# KiCad board jetson-orin-baseboard.kicad_pcb (continued)
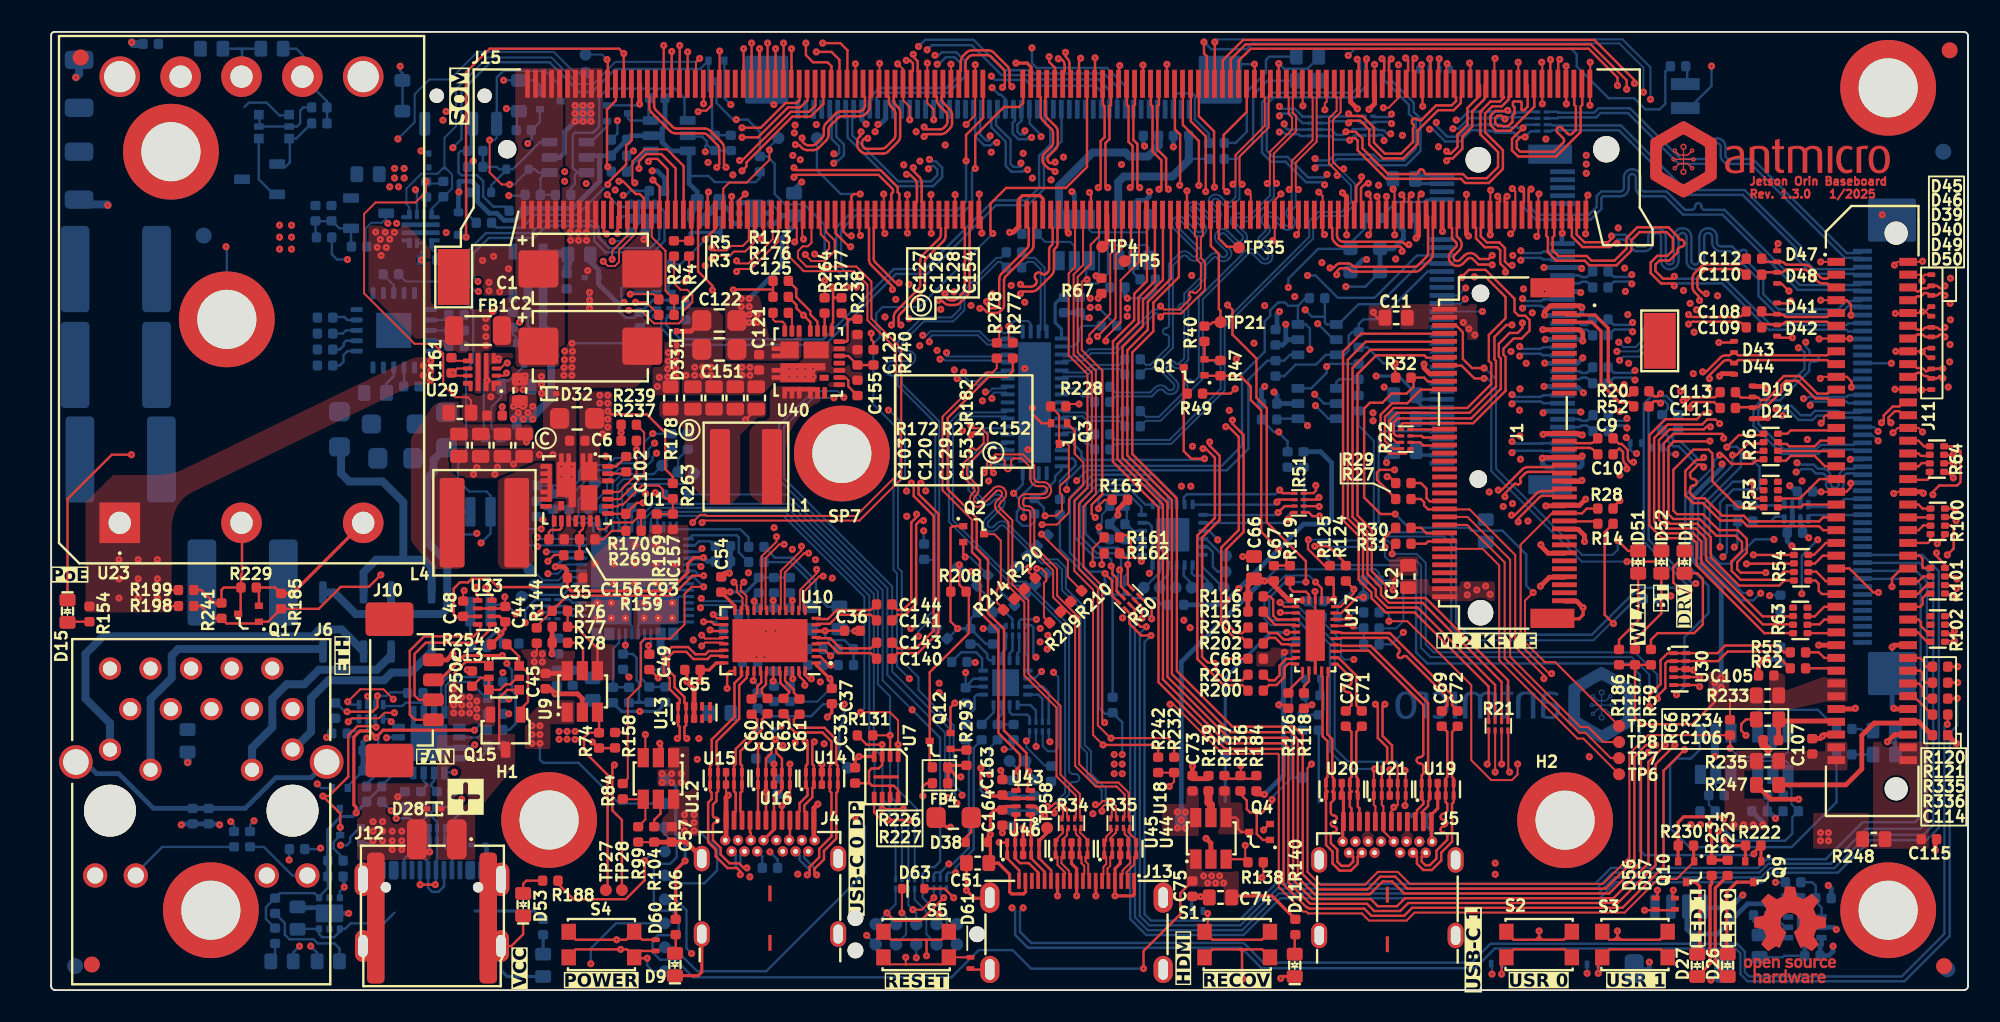
[diagram p0: board, top side]
## Library data of the parts (continued)
C30 C49 C116 = -: Datasheet: https://www.yageo.com/en/Chart/Download/pdf/CC0402MRX5R5BB106; Author: Antmicro; License: Apache-2.0; Val: 10u; OldValue: C_10u_0402; Manufacturer 1: YAGEO; Field13: License: Apache-2.0; Field14: Author: Antmicro
C32 C134 = -: Datasheet: https://product.tdk.com/en/search/capacitor/ceramic/mlcc/info?part_no=C1608X5R1E106M080AC; Author: Antmicro; License: Apache-2.0; Val: 10u; Voltage: 25V; OldValue: C_10u_25V_0603; Manufacturer 1: TDK; Field13: License: Apache-2.0; Field14: Author: Antmicro
C34 C59 = -: Datasheet: https://www.yageo.com/en/Chart/Download/pdf/CC0402MRX5R5BB106; Author: Antmicro; License: Apache-2.0; Val: 10u; OldValue: C_10u_0402; Manufacturer 1: YAGEO; Field13: Author: Antmicro; Field15: License: Apache-2.0
C35 C117 C137 = -: Datasheet: https://www.yageo.com/en/Chart/Download/pdf/CC0402MRX5R5BB106; Author: Antmicro; License: Apache-2.0; Val: 10u; OldValue: C_10u_0402; Manufacturer 1: YAGEO; Field13: License: Apache-2.0; Field15: Author: Antmicro
C47 C94 = -: Datasheet: https://product.tdk.com/en/search/capacitor/ceramic/mlcc/info?part_no=C1005X6S1A105K050BC; Author: Antmicro; License: Apache-2.0; Val: 1u; OldValue: C_1u_0402; Manufacturer 1: TDK; Field14: Author: Antmicro; Field15: License: Apache-2.0
C74 = -: Datasheet: https://www.murata.com/products/productdetail?partno=GRM188R61A106KE69%23; Author: Antmicro; Dielectric: template_dielectric; License: Apache-2.0; Val: 10u; OldValue: C_10u_0603; Manufacturer 1: Murata; Field14: License: Apache-2.0; Field15: Author: Antmicro
C76 = -: Datasheet: https://product.samsungsem.com/mlcc/CL21B104KCFNNN.do; Author: Antmicro; Dielectric: X7R; License: Apache-2.0; Public: False; Val: 100n; Voltage: 100V; OldValue: C_100n_100V_0805; Manufacturer 1: Samsung Electro-Mechanics; Field14: License: Apache-2.0; Field15: Author: Antmicro
C77 = -: Datasheet: https://spicat.kyocera-avx.com/product/mlcc/chartview/06031C103JAT2A/; Author: Antmicro; License: Apache-2.0; Val: 10n; OldValue: C_10n_0603; Manufacturer 1: AVX; Field13: License: Apache-2.0; Field15: Author: Antmicro
C79 C80 C82 = -: Datasheet: https://product.tdk.com/en/search/capacitor/ceramic/mlcc/info?part_no=C5750X7S2A226M280KB; Author: Antmicro; Dielectric: X7S; License: Apache-2.0; Public: False; Val: 22u; Voltage: 100V; OldValue: C_22u_100V_2220; Manufacturer 1: TDK; Field14: Author: Antmicro; Field15: License: Apache-2.0
C81 = -: Datasheet: https://product.tdk.com/en/search/capacitor/ceramic/mlcc/info?part_no=C5750X7S2A226M280KB; Author: Antmicro; Dielectric: X7S; License: Apache-2.0; Public: False; Val: 22u; Voltage: 100V; OldValue: C_22u_100V_2220; Manufacturer 1: TDK; Field15: Author: Antmicro; Field16: License: Apache-2.0
C84 = -: Datasheet: https://product.tdk.com/en/search/capacitor/ceramic/mlcc/info?part_no=C3216X5R1C476M160AB; Author: Antmicro; Dielectric: X5R; License: Apache-2.0; Public: False; Val: 47u; Voltage: 16V; OldValue: C_47u_16V_1206; Manufacturer 1: TDK; Field14: Author: Antmicro; Field15: License: Apache-2.0
C85 = -: Datasheet: https://product.tdk.com/en/search/capacitor/ceramic/mlcc/info?part_no=C3216X5R1C476M160AB; Author: Antmicro; Dielectric: X5R; License: Apache-2.0; Public: False; Val: 47u; Voltage: 16V; OldValue: C_47u_16V_1206; Manufacturer 1: TDK; Field14: License: Apache-2.0; Field15: Author: Antmicro
C93 C98 C106 = -: Datasheet: https://product.tdk.com/en/search/capacitor/ceramic/mlcc/info?part_no=C1005X6S1A105K050BC; Author: Antmicro; License: Apache-2.0; Val: 1u; OldValue: C_1u_0402; Manufacturer 1: TDK; Field13: License: Apache-2.0; Field14: Author: Antmicro
C95 C105 C107 C115 C123 = -: Datasheet: https://product.tdk.com/en/search/capacitor/ceramic/mlcc/info?part_no=C1005X6S1A105K050BC; Author: Antmicro; License: Apache-2.0; Val: 1u; OldValue: C_1u_0402; Manufacturer 1: TDK; Field13: License: Apache-2.0; Field15: Author: Antmicro
C99 = -: Datasheet: https://product.tdk.com/en/search/capacitor/ceramic/mlcc/info?part_no=C1005X6S1A105K050BC; Author: Antmicro; License: Apache-2.0; Val: 1u; OldValue: C_1u_0402; Manufacturer 1: TDK; Field13: Author: Antmicro; Field14: License: Apache-2.0
C103 C128 = -: Datasheet: https://product.samsungsem.com/mlcc/CL10A226MO7JZN.do; Description: SMD Multilayer Ceramic Capacitor; Val: 22u; License: Apache-2.0; Author: Antmicro; Voltage: 16V; OldValue: C_22u_16V_0603; Manufacturer 1: Samsung Electro-Mechanics; Field13: License: Apache-2.0; Field14: Author: Antmicro
C114 C142 = -: Datasheet: https://product.tdk.com/en/search/capacitor/ceramic/mlcc/info?part_no=C1005X6S1A105K050BC; Author: Antmicro; License: Apache-2.0; Val: 1u; OldValue: C_1u_0402; Manufacturer 1: TDK; Field13: Author: Antmicro; Field15: License: Apache-2.0
C120 = -: Datasheet: https://product.samsungsem.com/mlcc/CL10A226MO7JZN.do; Description: SMD Multilayer Ceramic Capacitor; Val: 22u; License: Apache-2.0; Author: Antmicro; Voltage: 16V; OldValue: C_22u_16V_0603; Manufacturer 1: Samsung Electro-Mechanics; Field14: Author: Antmicro; Field15: License: Apache-2.0
C122 = -: Datasheet: https://product.samsungsem.com/mlcc/CL21A226MAYNNN.do; Author: Antmicro; Dielectric: X5R; License: Apache-2.0; Public: False; Val: 22u; Voltage: 25V; OldValue: C_22u_25V_0805; Manufacturer 1: Samsung Electro-Mechanics; Field14: License: Apache-2.0; Field16: Author: Antmicro
C126 C127 C153 = -: Datasheet: https://product.samsungsem.com/mlcc/CL10A226MO7JZN.do; Description: SMD Multilayer Ceramic Capacitor; Val: 22u; License: Apache-2.0; Author: Antmicro; Voltage: 16V; OldValue: C_22u_16V_0603; Manufacturer 1: Samsung Electro-Mechanics; Field13: License: Apache-2.0; Field15: Author: Antmicro
C129 = -: Datasheet: https://product.samsungsem.com/mlcc/CL10A226MO7JZN.do; Description: SMD Multilayer Ceramic Capacitor; Val: 22u; License: Apache-2.0; Author: Antmicro; Voltage: 16V; OldValue: C_22u_16V_0603; Manufacturer 1: Samsung Electro-Mechanics; Field14: License: Apache-2.0; Field15: Author: Antmicro
C136 = -: Datasheet: https://www.murata.com/products/productdetail?partno=GRM155C61E475ME15%23; Author: Antmicro; Dielectric: X5S; License: Apache-2.0; Val: 4u7; Voltage: 25V; OldValue: C_4u7_25V_0402; Manufacturer 1: Murata; Field14: Author: Antmicro; Field15: License: Apache-2.0
C145 = -: Datasheet: https://www.kemet.com/en/us/capacitors/product/C0402C470J5GACTU.html; Author: Antmicro; Dielectric: C0G; License: Apache-2.0; Val: 47p; OldValue: C_47p_0402; Manufacturer 1: KEMET; Field13: License: Apache-2.0; Field15: Author: Antmicro
C146 = -: Datasheet: https://www.kemet.com/en/us/capacitors/product/C0402C470J5GACTU.html; Author: Antmicro; Dielectric: C0G; License: Apache-2.0; Val: 47p; OldValue: C_47p_0402; Manufacturer 1: KEMET; Field14: License: Apache-2.0; Field15: Author: Antmicro
C147 = -: Datasheet: https://www.murata.com/products/productdetail?partno=GRM155R61E105KE11%23; Author: Antmicro; Dielectric: X5R; License: Apache-2.0; Val: 1u; Voltage: 25V; OldValue: C_1u_25V_0402; Manufacturer 1: Murata; Field13: Author: Antmicro; Field14: License: Apache-2.0
C148 = -: Datasheet: https://www.murata.com/products/productdetail?partno=GRM155C61E475ME15%23; Author: Antmicro; Dielectric: X5S; License: Apache-2.0; Val: 4u7; Voltage: 25V; OldValue: C_4u7_25V_0402; Manufacturer 1: Murata; Field13: License: Apache-2.0; Field15: Author: Antmicro
C149 = -: Datasheet: https://www.murata.com/products/productdetail?partno=GRM155R61E105KE11%23; Author: Antmicro; Dielectric: X5R; License: Apache-2.0; Val: 1u; Voltage: 25V; OldValue: C_1u_25V_0402; Manufacturer 1: Murata; Field13: License: Apache-2.0; Field14: Author: Antmicro
C150 = -: Datasheet: https://www.murata.com/products/productdetail?partno=GRM155R61E105KE11%23; Author: Antmicro; Dielectric: X5R; License: Apache-2.0; Val: 1u; Voltage: 25V; OldValue: C_1u_25V_0402; Manufacturer 1: Murata; Field14: License: Apache-2.0; Field15: Author: Antmicro
C151 = -: Datasheet: https://product.samsungsem.com/mlcc/CL21A226MAYNNN.do; Author: Antmicro; Dielectric: X5R; License: Apache-2.0; Public: False; Val: 22u; Voltage: 25V; OldValue: C_22u_25V_0805; Manufacturer 1: Samsung Electro-Mechanics; Field15: Author: Antmicro; Field16: License: Apache-2.0
C154 = -: Datasheet: https://product.samsungsem.com/mlcc/CL10A226MO7JZN.do; Description: SMD Multilayer Ceramic Capacitor; Val: 22u; License: Apache-2.0; Author: Antmicro; Voltage: 16V; OldValue: C_22u_16V_0603; Manufacturer 1: Samsung Electro-Mechanics; Field13: Author: Antmicro; Field14: License: Apache-2.0
C155 = -: Datasheet: https://www.murata.com/products/productdetail?partno=GRM155C61E475ME15%23; Author: Antmicro; Dielectric: X5S; License: Apache-2.0; Val: 4u7; Voltage: 25V; OldValue: C_4u7_25V_0402; Manufacturer 1: Murata; Field13: License: Apache-2.0; Field14: Author: Antmicro
C156 = -: Datasheet: https://www.murata.com/products/productdetail?partno=GRM155C61E475ME15%23; Author: Antmicro; Dielectric: X5S; License: Apache-2.0; Val: 4u7; Voltage: 25V; OldValue: C_4u7_25V_0402; Manufacturer 1: Murata; Field13: Author: Antmicro; Field14: License: Apache-2.0
C160 = -: Datasheet: https://www.murata.com/products/productdetail?partno=GRM1555C1H102JA01%23; Description: SMD Multilayer Ceramic Capacitor, 1000 pF, 50 V, 0402 [1005 Metric], ± 5%, C0G / NP0, GRM Series; License: Apache-2.0; Author: Antmicro; Val: 1n; Voltage: 50V; Dielectric: C0G; OldValue: C_1n_0402; Manufacturer 1: Murata; Field13: Author: Antmicro; Field14: License: Apache-2.0
C161 = -: Datasheet: https://www.kemet.com/en/us/capacitors/product/C0402C102J4RACTU.html; Description: SMD Multilayer Ceramic Capacitor, 1nF, 16V, 0402, ±5%, X7R; Val: 1n; Voltage: 16V; Dielectric: X7R; License: Apache-2.0; Author: Antmicro; OldValue: C_1n_16V_X7R_0402; Manufacturer 1: KEMET; Field14: Author: Antmicro; Field15: License: Apache-2.0
D1 D4 D5 D51 = -: Datasheet: https://media.digikey.com/pdf/Data%20Sheets/Lite-On%20PDFs/LTST-C190GKT.pdf; Author: Antmicro; Color: Green; License: Apache-2.0; OldValue: LED_G_0603_LTST-C190GKT; Manufacturer 1: Lite-On; Field12: Author: Antmicro; Field13: License: Apache-2.0
D2 D52 = -: Datasheet: https://media.digikey.com/pdf/Data%20Sheets/Lite-On%20PDFs/LTST-C190GKT.pdf; Author: Antmicro; Color: Green; License: Apache-2.0; OldValue: LED_G_0603_LTST-C190GKT; Manufacturer 1: Lite-On; Field11: Author: Antmicro; Field13: License: Apache-2.0
D3 D53 D54 = -: Datasheet: https://media.digikey.com/pdf/Data%20Sheets/Lite-On%20PDFs/LTST-C190GKT.pdf; Author: Antmicro; Color: Green; License: Apache-2.0; OldValue: LED_G_0603_LTST-C190GKT; Manufacturer 1: Lite-On; Field11: Author: Antmicro; Field12: License: Apache-2.0
D6 D28 = -: Datasheet: https://toshiba.semicon-storage.com/info/DF2S30FS_datasheet_en_20211216.pdf?did=11156&prodName=DF2S30FS; Author: Antmicro; License: Apache-2.0; OldValue: DF2S30FS_SOD; Manufacturer 1: Toshiba; Field10: License: Apache-2.0; Field11: Author: Antmicro
D7 = -: Datasheet: https://toshiba.semicon-storage.com/info/DF2S30FS_datasheet_en_20211216.pdf?did=11156&prodName=DF2S30FS; Author: Antmicro; License: Apache-2.0; OldValue: DF2S30FS_SOD; Manufacturer 1: Toshiba; Field10: License: Apache-2.0; Field12: Author: Antmicro
D8 D9 D20 D24 D25 = -: Datasheet: https://media.digikey.com/pdf/Data%20Sheets/Lite-On%20PDFs/LTST-C190GKT.pdf; Author: Antmicro; Color: Green; License: Apache-2.0; OldValue: LED_G_0603_LTST-C190GKT; Manufacturer 1: Lite-On; Field11: License: Apache-2.0; Field13: Author: Antmicro
D10 D31 = -: Datasheet: https://www.onsemi.com/pdf/datasheet/esd9x3.3st5g-d.pdf; Author: Antmicro; License: Apache-2.0; Manufacturer 1: ON Semiconductor; Field10: License: Apache-2.0; Field11: Author: Antmicro
D11 D15 = -: Datasheet: https://media.digikey.com/pdf/Data%20Sheets/Lite-On%20PDFs/LTST-C190GKT.pdf; Author: Antmicro; Color: Green; License: Apache-2.0; OldValue: LED_G_0603_LTST-C190GKT; Manufacturer 1: Lite-On; Field12: License: Apache-2.0; Field13: Author: Antmicro
D12 D13 = -: Datasheet: https://www.bourns.com/docs/product-datasheets/CD-MMBL110S.pdf; Author: Antmicro; License: Apache-2.0; Manufacturer 1: Bourns; Field11: License: Apache-2.0; Field12: Author: Antmicro
D14 = -: Datasheet: https://assets.nexperia.com/documents/data-sheet/PTVSXS1UR_SER.pdf; Author: Antmicro; License: Apache-2.0; Manufacturer 1: Nexperia; Field10: Author: Antmicro; Field11: License: Apache-2.0
D16 D21 D44 D47 D50 D61 = -: Datasheet: https://www.ti.com/general/docs/suppproductinfo.tsp?distId=26&gotoUrl=https://www.ti.com/lit/gpn/tpd1e0b04; Author: Antmicro; License: Apache-2.0; OldValue: TPD1E0B04_XDFN-2; Manufacturer 1: Texas Instruments; Field10: Author: Antmicro; Field12: License: Apache-2.0
D17 D19 D57 D59 = -: Datasheet: https://www.ti.com/general/docs/suppproductinfo.tsp?distId=26&gotoUrl=https://www.ti.com/lit/gpn/tpd1e0b04; Author: Antmicro; License: Apache-2.0; OldValue: TPD1E0B04_XDFN-2; Manufacturer 1: Texas Instruments; Field11: Author: Antmicro; Field12: License: Apache-2.0
D18 D26 D27 = -: Datasheet: https://media.digikey.com/pdf/Data%20Sheets/Lite-On%20PDFs/LTST-C190GKT.pdf; Author: Antmicro; Color: Green; License: Apache-2.0; OldValue: LED_G_0603_LTST-C190GKT; Manufacturer 1: Lite-On; Field11: License: Apache-2.0; Field12: Author: Antmicro
D22 D39 D48 D56 D58 = -: Datasheet: https://www.ti.com/general/docs/suppproductinfo.tsp?distId=26&gotoUrl=https://www.ti.com/lit/gpn/tpd1e0b04; Author: Antmicro; License: Apache-2.0; OldValue: TPD1E0B04_XDFN-2; Manufacturer 1: Texas Instruments; Field11: License: Apache-2.0; Field12: Author: Antmicro
D23 D42 D46 D55 = -: Datasheet: https://www.ti.com/general/docs/suppproductinfo.tsp?distId=26&gotoUrl=https://www.ti.com/lit/gpn/tpd1e0b04; Author: Antmicro; License: Apache-2.0; OldValue: TPD1E0B04_XDFN-2; Manufacturer 1: Texas Instruments; Field10: Author: Antmicro; Field11: License: Apache-2.0
D29 = -: Datasheet: https://toshiba.semicon-storage.com/info/DF2S30FS_datasheet_en_20211216.pdf?did=11156&prodName=DF2S30FS; Author: Antmicro; License: Apache-2.0; OldValue: DF2S30FS_SOD; Manufacturer 1: Toshiba; Field10: Author: Antmicro; Field11: License: Apache-2.0
D30 D32 = -: Datasheet: https://www.onsemi.com/pdf/datasheet/esd9x3.3st5g-d.pdf; Author: Antmicro; License: Apache-2.0; Manufacturer 1: ON Semiconductor; Field11: License: Apache-2.0; Field12: Author: Antmicro
D33 = -: Datasheet: https://www.onsemi.com/pdf/datasheet/esd9x3.3st5g-d.pdf; Author: Antmicro; License: Apache-2.0; Manufacturer 1: ON Semiconductor; Field10: Author: Antmicro; Field11: License: Apache-2.0
D34 = -: Datasheet: https://www.onsemi.com/pdf/datasheet/rb521s30t1-d.pdf; Author: Antmicro; License: Apache-2.0; Manufacturer 1: ON Semiconductor; Field10: Author: Antmicro; Field11: License: Apache-2.0
D35 = -: Datasheet: https://www.onsemi.com/pdf/datasheet/rb521s30t1-d.pdf; Author: Antmicro; License: Apache-2.0; Manufacturer 1: ON Semiconductor; Field11: License: Apache-2.0; Field12: Author: Antmicro
D36 = -: Datasheet: https://www.onsemi.com/pdf/datasheet/rb521s30t1-d.pdf; Author: Antmicro; License: Apache-2.0; Manufacturer 1: ON Semiconductor; Field10: License: Apache-2.0; Field12: Author: Antmicro
D37 D63 = -: Datasheet: https://www.onsemi.com/pdf/datasheet/rb521s30t1-d.pdf; Author: Antmicro; License: Apache-2.0; Manufacturer 1: ON Semiconductor; Field10: Author: Antmicro; Field12: License: Apache-2.0
D38 = -: Datasheet: https://www.onsemi.com/pdf/datasheet/rb521s30t1-d.pdf; Author: Antmicro; License: Apache-2.0; Manufacturer 1: ON Semiconductor; Field11: Author: Antmicro; Field12: License: Apache-2.0
D40 D41 D43 D49 D60 = -: Datasheet: https://www.ti.com/general/docs/suppproductinfo.tsp?distId=26&gotoUrl=https://www.ti.com/lit/gpn/tpd1e0b04; Author: Antmicro; License: Apache-2.0; OldValue: TPD1E0B04_XDFN-2; Manufacturer 1: Texas Instruments; Field10: License: Apache-2.0; Field11: Author: Antmicro
D45 = -: Datasheet: https://www.ti.com/general/docs/suppproductinfo.tsp?distId=26&gotoUrl=https://www.ti.com/lit/gpn/tpd1e0b04; Author: Antmicro; License: Apache-2.0; OldValue: TPD1E0B04_XDFN-2; Manufacturer 1: Texas Instruments; Field10: License: Apache-2.0; Field12: Author: Antmicro
FB1 = -: Datasheet: https://www.we-online.com/catalog/datasheet/74279221100.pdf; Author: Antmicro; License: Apache-2.0; Val: 10Z/10A; OldValue: FB_10Z_10A_WE-MPSB_1206; Manufacturer 1: Würth Elektronik; Field12: License: Apache-2.0; Field14: Author: Antmicro
FB2 FB4 = -: Datasheet: https://www.murata.com/products/productdata/8796738977822/ENFA0005.pdf?1653276712000; Author: Antmicro; License: Apache-2.0; Val: 220Z/2A; OldValue: FB_220Z_2A_Murata-BLM21PG_0805; Manufacturer 1: Murata; Field12: License: Apache-2.0; Field13: Author: Antmicro
FB3 = -: Datasheet: https://www.murata.com/products/productdata/8796738977822/ENFA0005.pdf?1653276712000; Author: Antmicro; License: Apache-2.0; Val: 220Z/2A; OldValue: FB_220Z_2A_Murata-BLM21PG_0805; Manufacturer 1: Murata; Field12: Author: Antmicro; Field14: License: Apache-2.0
FID1 FID3 FID8 = -: Field4: License: Apache-2.0; Field5: Author: Antmicro
FID2 FID6 REF** = -: Field4: License: Apache-2.0; Field6: Author: Antmicro
FID4 FID5 = -: Field5: Author: Antmicro; Field6: License: Apache-2.0
FID7 REF**#2 = -: Field4: Author: Antmicro; Field6: License: Apache-2.0
H1 H5 = -: Datasheet: https://www.we-online.com/components/products/datasheet/9774065151R.pdf; Author: Antmicro; License: Apache-2.0; OldValue: Spacer_Drill3.7mm_H6.5mm_9774065151R; Manufacturer 1: Würth Elektronik; Field11: Author: Antmicro; Field12: License: Apache-2.0
H2 = -: Datasheet: https://www.we-online.com/components/products/datasheet/9774065151R.pdf; Author: Antmicro; License: Apache-2.0; OldValue: Spacer_Drill3.7mm_H6.5mm_9774065151R; Manufacturer 1: Würth Elektronik; Field10: Author: Antmicro; Field12: License: Apache-2.0
H3 = -: Datasheet: https://www.we-online.com/components/products/datasheet/9774065151R.pdf; Author: Antmicro; License: Apache-2.0; OldValue: Spacer_Drill3.7mm_H6.5mm_9774065151R; Manufacturer 1: Würth Elektronik; Field10: License: Apache-2.0; Field11: Author: Antmicro
H4 H6 = -: Datasheet: https://www.we-online.com/components/products/datasheet/9774065151R.pdf; Author: Antmicro; License: Apache-2.0; OldValue: Spacer_Drill3.7mm_H6.5mm_9774065151R; Manufacturer 1: Würth Elektronik; Field10: Author: Antmicro; Field11: License: Apache-2.0
J1 = -: Datasheet: https://www.te.com/usa-en/product-2199230-6.datasheet.pdf; Author: Antmicro; License: Apache-2.0; OldValue: Bus_M.2_2199230-6; Manufacturer 1: TE Connectivity; Field11: License: Apache-2.0; Field12: Author: Antmicro
J2 = -: Datasheet: https://www.te.com/commerce/DocumentDelivery/DDEController?Action=srchrtrv&DocNm=2199230&DocType=Customer+Drawing&DocLang=English; Author: Antmicro; License: Apache-2.0; OldValue: Bus_M.2_1-2199230-6; Manufacturer 1: TE Connectivity; Field11: License: Apache-2.0; Field12: Author: Antmicro
J3 = -: Datasheet: https://gct.co/files/drawings/usb4105.pdf; Author: Antmicro; License: Apache-2.0; OldValue: USB-C_GCT_USB4105-GF-A; Manufacturer 1: GCT; Field11: License: Apache-2.0; Field12: Author: Antmicro; Field13: PCB-EDGE
J4 = -: Datasheet: https://www.we-online.com/components/products/datasheet/632723300011.pdf; Author: Antmicro; License: Apache-2.0; OldValue: USB-C_WE_632723300011; Manufacturer 1: Würth Elektronik; Field10: Author: Antmicro; Field11: License: Apache-2.0
J5 = -: Datasheet: https://www.we-online.com/components/products/datasheet/632723300011.pdf; Author: Antmicro; License: Apache-2.0; OldValue: USB-C_WE_632723300011; Manufacturer 1: Würth Elektronik; Field10: License: Apache-2.0; Field11: Author: Antmicro
J6 = -: Datasheet: https://www.te.com/commerce/DocumentDelivery/DDEController?Action=showdoc&DocId=Customer+Drawing%7F5-2337992-8%7FA%7Fpdf%7FEnglish%7FENG_CD_5-2337992-8_A.pdf%7F5-2337992-8; Author: Antmicro; License: Apache-2.0; OldValue: Bus_RJ45_5-2337992-8; Manufacturer 1: TE Connectivity; Field10: Author: Antmicro; Field12: License: Apache-2.0; ki_fp_filters: CONN18_5-2337992-8_TEC
J7 = -: Datasheet: https://www.we-online.com/components/products/datasheet/68715014522.pdf; Author: Antmicro; License: Apache-2.0; OldValue: Conn_FFC_WE_68715014522; Manufacturer 1: Würth Elektronik; Field10: Author: Antmicro; Field11: License: Apache-2.0
J8 = -: Datasheet: https://www.we-online.com/components/products/datasheet/68715014522.pdf; Author: Antmicro; License: Apache-2.0; OldValue: Conn_FFC_WE_68715014522; Manufacturer 1: Würth Elektronik; Field11: License: Apache-2.0; Field12: Author: Antmicro
J9 = -: Datasheet: https://www.tag-connect.com/wp-content/uploads/bsk-pdf-manager/TC2050-IDC-NL_Datasheet_8.pdf; Author: Antmicro; License: Apache-2.0; OldValue: Tag-Connect_TC2050-IDC-NL_2x5_P1.27mm; Manufacturer 1: Tag Connect; Field10: License: Apache-2.0; Field12: Author: Antmicro
J10 = -: Datasheet: https://www.molex.com/molex/products/part-detail/pcb_headers/0533980471; Author: Antmicro; License: Apache-2.0; OldValue: Molex_PicoBlade_1x4_0533980471; Manufacturer 1: Molex; Field11: Author: Antmicro; Field12: License: Apache-2.0
J11 = -: Datasheet: https://suddendocs.samtec.com/catalog_english/erf8.pdf; Author: Antmicro; License: Apache-2.0; Pitch: 0.8 mm; OldValue: Socket_Samtec_ERF8_2x40_ERF8-040-05.0-L-DV-K-TR; Manufacturer 1: Samtec; Field11: Author: Antmicro; Field12: License: Apache-2.0
J12 = -: Datasheet: https://www.farnell.com/cad/3578051.pdf; Author: Antmicro; License: Apache-2.0; OldValue: Molex_Nano-Fit_1x2_SMD_1054301202; Manufacturer 1: Molex; Field11: Author: Antmicro; Field12: License: Apache-2.0
J13 = -: Datasheet: https://www.we-online.com/components/products/datasheet/685119136923.pdf; Author: Antmicro; License: Apache-2.0; OldValue: HDMI-Mini-C_WE_685119136923; Manufacturer 1: Würth Elektronik; Field10: Author: Antmicro; Field12: License: Apache-2.0
J14 = -: Datasheet: https://www.jst-mfg.com/product/pdf/eng/eSH.pdf; Author: Antmicro; License: Apache-2.0; OldValue: JST_SH_1x4_SM04B-SRSS-TB-LF-SN; Manufacturer 1: JST Automotive Connectors; Field10: Author: Antmicro; Field12: License: Apache-2.0
J15 = -: Datasheet: https://developer.nvidia.com/jetson-orin-nx-series-data-sheet; Author: Antmicro; License: Apache-2.0; OldValue: Bus_DDR4_SODIMM_CUSTOM_Jetson-Orin-H9.2mm-socket; Manufacturer 1: TE Connectivity; Field10: License: Apache-2.0; Field12: Author: Antmicro
L1 = -: Datasheet: https://www.bourns.com/docs/Product-Datasheets/SRP5030CA.pdf; Author: Antmicro; IMax: 17.7 A; ISat: 22.2 A; License: Apache-2.0; Size: 5.5x5.3; Val: 560n/17.7A; OldValue: L_560n_17.7A_Bourns-SRP5030CA; Manufacturer 1: Bourns; Field15: Author: Antmicro; Field16: License: Apache-2.0
L4 = -: Datasheet: https://www.bourns.com/docs/Product-Datasheets/SRP6050CA.pdf; Author: Antmicro; IMax: 20 A; ISat: 23 A; License: Apache-2.0; Size: 6.6x6.4; Val: 1u/20A; OldValue: L_1u_20A_Bourns-SRP6050CA; Manufacturer 1: Bourns; Field14: License: Apache-2.0; Field16: Author: Antmicro
M1 = -: Datasheet: https://static6.arrow.com/aropdfconversion/c4902ff7fe8bae4b5d563d5e41c1cfab77501490/jetson-orin-nx-datasheet-nvidia-us-web-2605318-5.pdf; Author: Antmicro; Displayed name: Jetson Orin NX Nano; License: Apache-2.0; OldValue: Jetson-Orin-NX-Nano; Manufacturer 1: Nvidia; Field12: Author: Antmicro; Field13: License: Apache-2.0
M3 TP2 TP3 TP20 TP31 TP35 TP37 TP38 TP40 TP41 TP43 = -: Author: Antmicro; License: Apache-2.0; Field8: License: Apache-2.0; Field9: Author: Antmicro
Q1 Q9 Q12 Q17 Q19-Q21 = -: Datasheet: https://www.mouser.com/datasheet/2/1057/PJE138K-1876698.pdf; Author: Antmicro; License: Apache-2.0; OldValue: PJE138K; Manufacturer 1: PANJIT; Field10: License: Apache-2.0; Field12: Author: Antmicro
Q2 Q4 = -: Datasheet: https://www.mouser.com/datasheet/2/1057/PJE138K-1876698.pdf; Author: Antmicro; License: Apache-2.0; OldValue: PJE138K; Manufacturer 1: PANJIT; Field10: Author: Antmicro; Field12: License: Apache-2.0
Q3 = -: Datasheet: https://www.mouser.com/datasheet/2/1057/PJE138K-1876698.pdf; Author: Antmicro; License: Apache-2.0; OldValue: PJE138K; Manufacturer 1: PANJIT; Field11: License: Apache-2.0; Field12: Author: Antmicro
Q5 = -: Datasheet: https://www.mouser.com/datasheet/2/1057/PJE138K-1876698.pdf; Author: Antmicro; License: Apache-2.0; OldValue: PJE138K; Manufacturer 1: PANJIT; Field10: License: Apache-2.0; Field11: Author: Antmicro
Q6 Q16 = -: Datasheet: https://www.mouser.com/datasheet/2/408/SSM3J332R_datasheet_en_20181015-1150575.pdf; Author: Antmicro; License: Apache-2.0; OldValue: SSM3J332R; Manufacturer 1: Toshiba; Field10: License: Apache-2.0; Field11: Author: Antmicro
Q7 Q8 Q11 = -: Datasheet: https://www.mouser.com/datasheet/2/1057/PJE138K-1876698.pdf; Author: Antmicro; License: Apache-2.0; OldValue: PJE138K; Manufacturer 1: PANJIT; Field11: Author: Antmicro; Field12: License: Apache-2.0
Q10 = -: Datasheet: https://www.mouser.com/datasheet/2/1057/PJE138K-1876698.pdf; Author: Antmicro; License: Apache-2.0; OldValue: PJE138K; Manufacturer 1: PANJIT; Field10: Author: Antmicro; Field11: License: Apache-2.0